# Altium PCB PCB3.PcbDoc
Units mil, origin at the board's own origin, x right, y up, seen from the top; angles counter-clockwise.
Board outline 7130 x 3195 mil, 2 copper layers (Top Layer, Bottom Layer); 60 components, 69 nets, 141 pads, 0 vias.
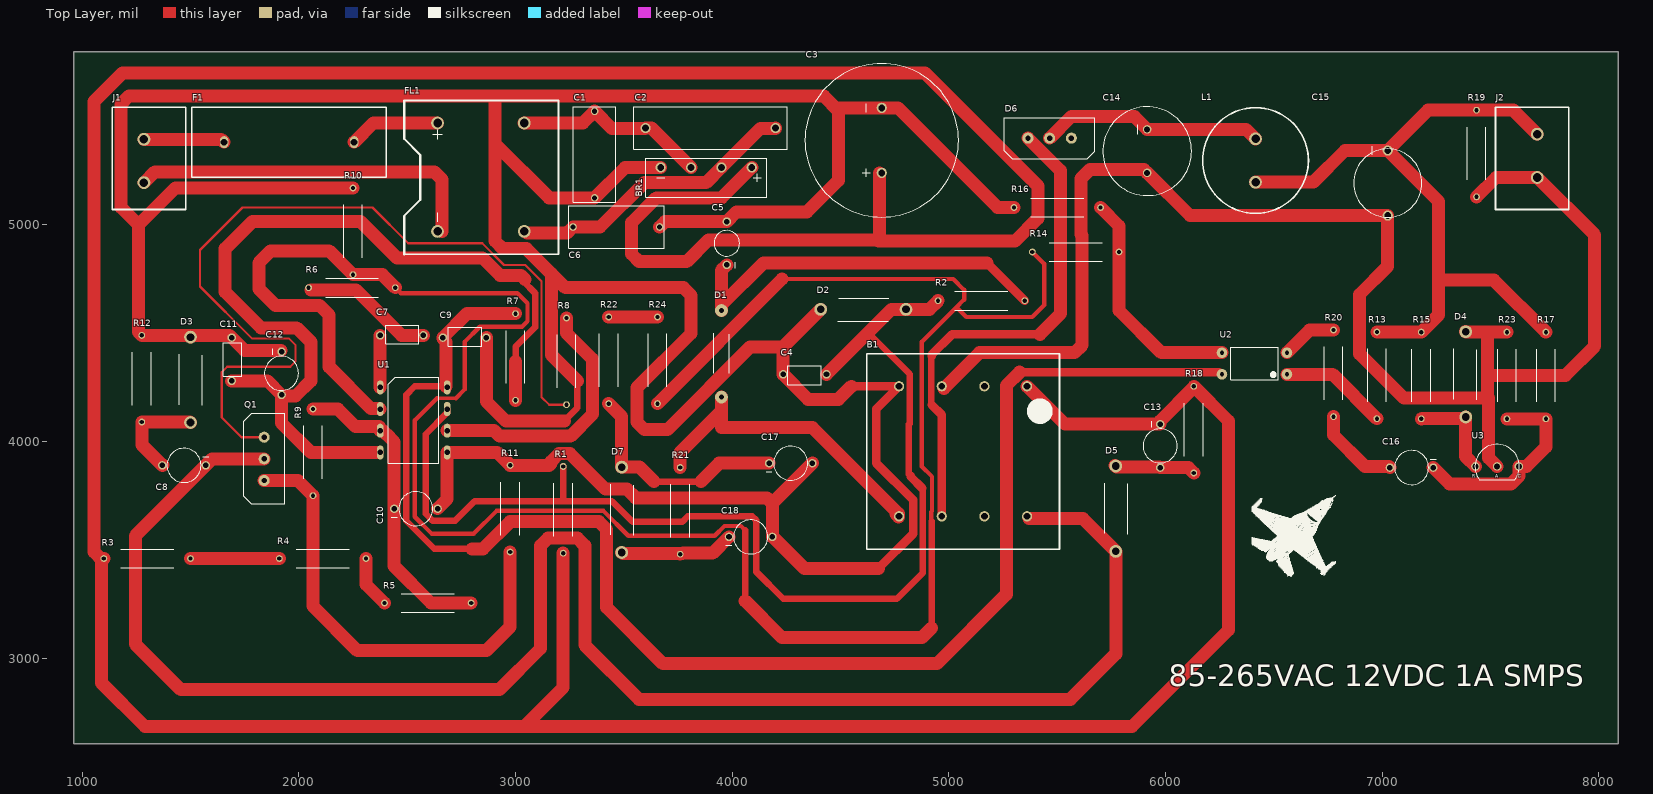
[diagram p0: Top Layer view]
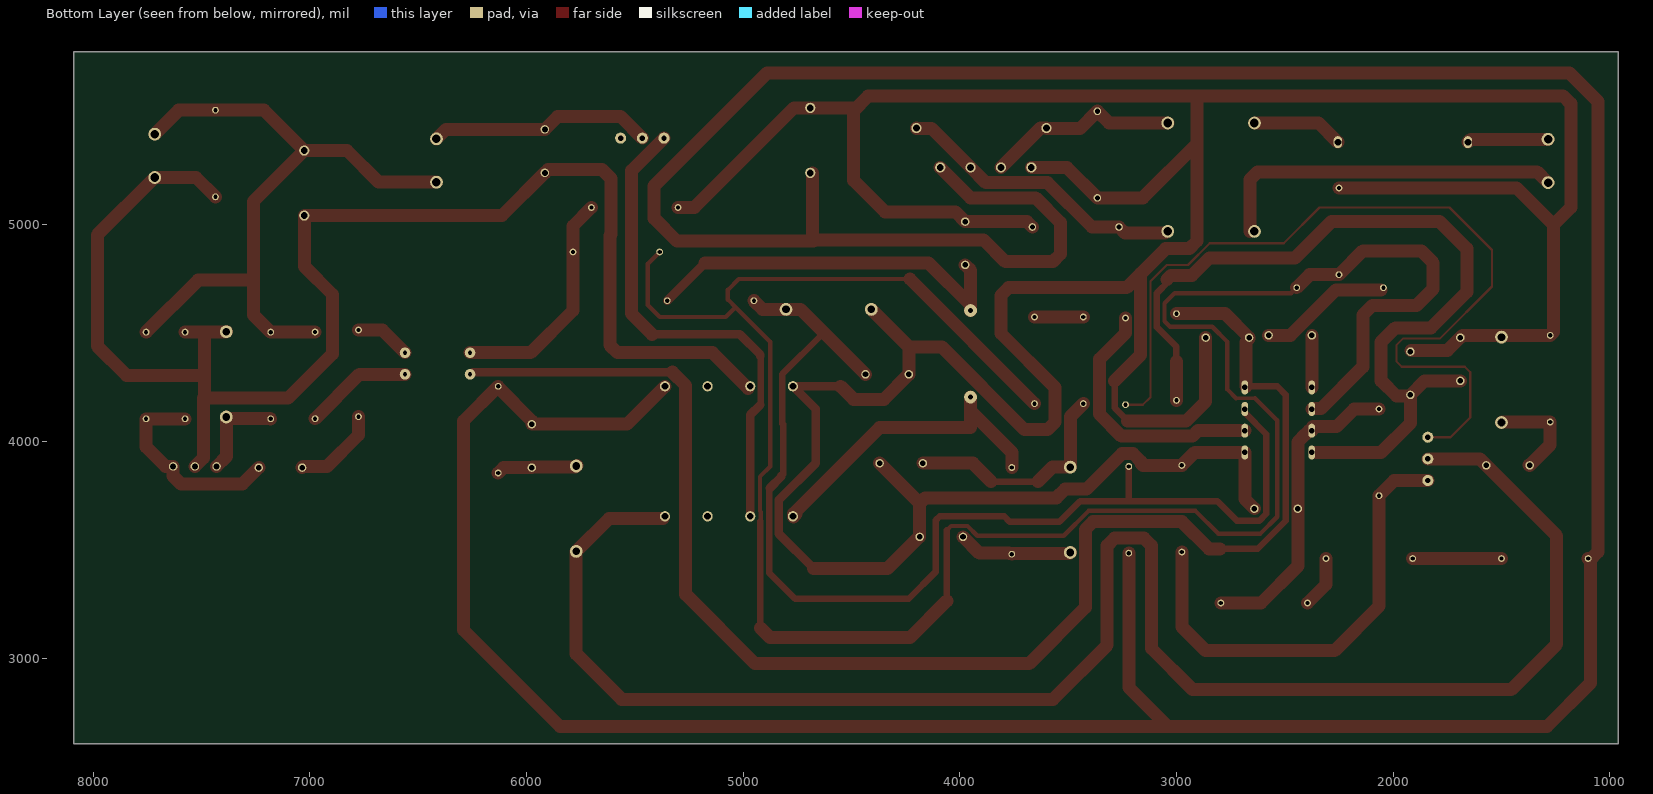
[diagram p1: Bottom Layer view, seen from below]

## Layer stack, top to bottom
Top Solder: solder mask 0.4, Solder Resist, Dk 3.5
Top Layer: signal copper 1.4
Dielectric 1: dielectric 12.6, FR-4, Dk 4.8
Bottom Layer: signal copper 1.4
Bottom Solder: solder mask 0.4, Solder Resist, Dk 3.5

## Board outline
960,2605 960,5800 8090,5800 8090,2605

## Design rules (kind name [scope] priority, off if disabled: settings)
Clearance [All] p1: gap=10 ignorepadtopadclearanceinfootprint=FALSE except(0: Arc-Hole Track-Hole SMDPad-Hole THPad-Hole Via-Hole Fill-Hole Poly-Hole Region-Hole Text-Hole)
PolygonConnect [All] p1: connectstyle=Relief reliefconductorwidth=10 reliefentries=4 polygonreliefangle="90 Angle" airgapwidth=10
RoutingVias [All] p1: holewidth=28 width=50 viastyle="Through Hole" minholewidth=28 minwidth=50 maxholewidth=28 maxwidth=50
SilkToSilkClearance [All] p1: silktosilkclearance=0
SilkToSolderMaskClearance [IsPad] p1: minsilkscreentomaskgap=0 clearancetoexposedcopper=TRUE
SolderMaskExpansion [All] p1: expansion=4 istentingtop=FALSE
Width [All] p1: maxlimit=500 minlimit=10 preferedwidth=10 minimp=50.000000 maximp=50.000000 favimp=50.000000
28 further rules are at their usual default settings.

## Components (designator, comment, footprint, x,y, rotation, side; value= is the part's Value field where it differs from the comment)
B1 "E 20 X 10 X 6" BOBBIN 5065.28,3955 r180 top
BR1 "KBP2M" KBP2M 3879.92,5265 r180 top
C1 "2.2nF Y2" Y2-RADIAL 3365,5324.53 r90 top
C2 "0.1uF X2" X2-RADIAL 3900,5446.57 r180 top
C3 "47uF" "CAP ALU 47UF,400VDC" 4690,5390 r90 top
C4 "0.1uF" "CAP CER 100NF" 4335,4310 r0 top
C5 "22uF" "CAP ALU 22UF" 3975,4915 r270 top
C6 "2.2nF Y2" Y2-RADIAL 3465,4990 r180 top
C7 "0.1uF" "CAP CER 100NF" 2475,4490 r180 top
C8 "10pF" "CAP ALU 1UF" 1470,3890 r0 top
C9 "0.1uF" "CAP CER 100NF" 2765,4480 r180 top
C10 "470pF" "CAP ALU 1UF" 2540,3690 r180 top
C11 "0.1nF" "CAP CER 100NF" 1690,4380 r90 top
C12 "470pF" "CAP ALU 1UF" 1920,4315 r90 top
C13 "1uF" "CAP ALU 1UF" 5975,3980 r90 top
C14 "1000uF" "CAP ALU 1000UF/16V" 5915,5340.28 r90 top
C15 "220uF" "CAP ALU 220UF/16V" 7025,5193.04 r90 top
C16 "10pF" "CAP ALU 1UF" 7135,3880 r0 top
C17 "0.47uF" "CAP ALU 1UF" 4270,3900 r180 top
C18 "10pF" "CAP ALU 1UF" 4085,3560 r180 top
D1 "1N4148" DO-35 3950,4405 r270 top
D2 "BZX85C18" DO-41 4605,4610 r180 top
D3 "1N5819" DO-41 1500,4285 r270 top
D4 "BZX85C18" DO-41 7385,4310 r90 top
D5 "HER108" DO-41 5770,3690 r270 top
D6 "MBR20100CT" TO-220 5465,5400 r0 top
D7 "1N5819" DO-41 3490,3685 r270 top
F1 "1A" FUSE 1955,5381.61 r0 top
FL1 "2x18mH" 2X18MH 2840,5220 r0 top
J1 "HEADER x2" "HEADER X2" 1285,5295 r90 top
J2 "HEADER x2" "HEADER X2" 7715,5318.62 r270 top
L1 "5uH" IND-RADIAL 6415,5296.98 r270 top
Q1 "IRFIBE30G" TO-220 1840,3920 r270 top
R1 "470 KOHM" RES 3220,3685 r270 top
R2 "10 OHM" RES 5150,4650 r0 top
R3 "470 KOHM" RES 1300,3460 r180 top
R4 "470 KOHM" RES 2110,3460 r180 top
R5 "470 KOHM" RES 2595,3255 r180 top
R6 "220 KOHM" RES 2245,4710 r180 top
R7 "14 KOHM" RES 3000,4390 r270 top
R8 "10 OHM" RES 3235,4370 r270 top
R9 "1 KOHM" RES 2065,3950 r90 top
R10 "12 KOHM" RES 2250,4970 r270 top
R11 "1 OHM" RES 2975,3690 r270 top
R12 "1 KOHM" RES 1275,4290 r270 top
R13 "1.5 KOHM" RES 6975,4305.63 r90 top
R14 "4.7 KOHM" RES 5585,4875 r0 top
R15 "1 KOHM" RES 7180,4305 r90 top
R16 "1 KOHM" RES 5500,5080 r0 top
R17 "12 KOHM" RES 7755,4305 r90 top
R18 "2 KOHM" RES 6130,4055 r90 top
R19 "560 OHM" RES 7435,5329.25 r90 top
R20 "82 KOHM" RES 6775,4315 r270 top
R21 "560 OHM" RES 3760,3680 r90 top
R22 "100 KOHM" RES 3430,4375 r90 top
R23 "1.5 KOHM" RES 7575,4305 r270 top
R24 "47 KOHM" RES 3655,4375 r90 top
U1 "UC3845" 8-DIP 2535,4100 r270 top
U2 "Optocoupler" 4-DIP 6410,4360 r90 top
U3 "TL431" "TL431 - TH - TO92-3" 7530,3885 r0 top

## Footprints (in the part's own frame and the unit in brackets; to place one, negate y for a bottom-side part, rotate by r counter-clockwise, add the part's x,y. Pads: shape width x height; smd on the part's side, far side on the other; paste and mask are expansions set on the pad)
2X18MH [mm]
  round 1.5 hole 1 mask+0.05: 1-(-5.08,-6.35) 2(5.08,-6.35) 3(5.08,6.35) 4+(-5.08,6.35)
  silkscreen extent -8.98,-9.05 9.1,9, body extent -7.5,-8.39 7.5,8.4, height 17.3
4-DIP [mm]
  round 1.25 hole 0.5 mask+0.05: 1(-1.27,-3.81) 2(1.27,-3.81) 3(1.27,3.81) 4(-1.27,3.81)
  silkscreen extent -1.9,-2.8 1.9,2.8, body extent -2.36,-3.94 2.36,3.93, height 5.2
8-DIP [mm]
  oval 1.65x0.8 hole 0.65 mask+0.05: 1(-3.81,-4.05) 2(-1.27,-4.05) 3(1.27,-4.05) 4(3.81,-4.05) 5(3.81,3.8) 6(1.27,3.8) 7(-1.27,3.8) 8(-3.81,3.8)
  silkscreen extent -5,-3.1 5.1,2.8, body extent -5.42,-4.16 5.5,3.96, height 5.21
BOBBIN [mm]
  round 1.2 hole 0.8 mask+0.05: 1(-7.5,-7.62) 2(-7.5,7.62) 3(7.5,-7.62) 4(7.5,7.62) 6(2.5,-7.62) 7(2.5,7.62) ""(-2.5,7.62) ""(-2.5,-7.62)
  silkscreen extent -11.3,-11.42 11.3,11.48, body extent -10.7,-10.12 10.8,10.28, height 8
"CAP ALU 1UF" [mm]
  round 1 hole 0.65 mask+0.05: 1(-2.54,0) 2(2.54,0)
  silkscreen extent -2,-2 2.9,2, body extent -3.51,-1.71 3.5,1.8, height 12.01
"CAP ALU 22UF" [mm]
  round 1 hole 0.65 mask+0.05: 1(-2.54,0) 2(2.54,0)
  silkscreen extent -1.5,-1.5 2.9,1.5, body extent -3.51,-1.71 3.5,1.8, height 12.01
"CAP ALU 47UF,400VDC" [mm]
  round 1.2 hole 0.8 mask+0.05: 1(3.81,0) 2(-3.81,0)
  silkscreen extent -9,-9 9,9, body extent -9.05,-9 8.99,9, height 22
"CAP ALU 220UF/16V" [mm]
  round 1.2 hole 0.8 mask+0.05: 1(-3.81,0) 2(3.81,0)
  silkscreen extent -4,-4 4.29,4, body extent -9.05,-9 8.99,9, height 22
"CAP ALU 1000UF/16V" [mm]
  round 1 hole 0.7 mask+0.05: 1(-2.54,0) 2(2.54,0)
  silkscreen extent -5.2,-5.2 5.2,5.2, body extent -5.28,-5.24 5.23,5.24, height 14.21
"CAP CER 100NF" [mm]
  round 1 hole 0.65 mask+0.05: 1(-2.54,0) 2(2.54,0)
  silkscreen extent -2,-1.2 1.9,1, body extent -2.81,-1.69 2.82,1.5, height 7.83
DO-35 [mm]
  round 1.5 hole 0.6 mask+0.05: A(5.08,0) C(-5.08,0)
  silkscreen extent -2.4,-0.9 2.3,0.9, body extent -5.33,-0.9 5.37,0.85, height 2.25
DO-41 [mm]
  round 1.5 hole 0.9 mask+0.05: A(5,0) C(-5,0)
  silkscreen extent -3,-1.3 3,1.4, body extent -5.45,-1.31 5.41,1.41, height 2.86
FUSE [mm]
  oval 1x1.4 hole 0.8 mask+0.05: 1(-7.62,0) 2(7.62,0)
  silkscreen extent -11.4,-4.1 11.4,4.1, body extent -11.4,-4.1 11.4,4.1, height 10.21
"HEADER X2" [mm]
  round 1.5 hole 1 mask+0.05: 1(-2.54,0) 2(2.54,0)
  silkscreen extent -5.7,-4.9 6.3,3.7, body extent -5.65,-4.9 6.25,3.66, height 11.81
IND-RADIAL [mm]
  round 1.5 hole 1 mask+0.05: 1(-2.54,0) 2(2.54,0)
  silkscreen extent -6.2,-6.2 6.2,6.2, body extent -6.35,-6.35 6.35,6.35, height 18.04
KBP2M [mm]
  round 1.2 hole 0.8 mask+0.05: 1(-5.34,0) 2(-1.78,0) 3(1.78,0) 4(5.34,0)
  silkscreen extent -7.1,-1.1 7.1,3.5, body extent -7.11,-1.08 7.11,3.49, height 11.33
RES [mm]
  round 0.8 hole 0.5 mask+0.05: 1(-5.08,0) 2(5.08,0)
  silkscreen extent -3.1,-1.1 3.1,1.1, body extent -5.31,-1.1 5.35,1.11, height 2.11
"TL431 - TH - TO92-3" [mm]
  round 1 hole 0.7 mask+0.05: A(0,0) C(-2.54,0) R(2.54,0)
  silkscreen extent -2.6,-1.56 2.6,2.6, body extent -2.74,-1.6 2.74,2.6, height 10.33
TO-220 [mm]
  round 1.3 hole 0.63 mask+0.05: 1(-2.54,0) 2(0,0) 3(2.54,0)
  silkscreen extent -5.34,-2.4 5.26,2.4, body extent -5.3,-2.4 5.3,2.4, height 17
X2-RADIAL [mm]
  round 1.2 hole 0.8 mask+0.05: 1(-7.62,0) 2(7.62,0)
  silkscreen extent -9,-2.5 9,2.5, body extent -9,-2.5 9,2.5, height 11.01
Y2-RADIAL [mm]
  round 0.9 hole 0.6 mask+0.05: 1(-5.08,0) 2(5.08,0)
  silkscreen extent -5.6,-2.5 5.6,2.5, body extent -5.6,-2.5 5.6,2.5, height 15

## Part data
B1: library part Transformer, "Ferrite Cores & Accessories E20/10/6 N27LP 0.250 MM / B66311G0000X127", Manufacturer="TDK EPCOS", Manufacturer Part Number=B66208-B1110-T1, Supplier Part Number 1=495-5372-ND, Category=Uncategorized, ComponentLink1Description=https://datasheet.ciiva.com/12393/e-25-13-7-525655-12393262.pdf?src-supplier=Mouser, ComponentLink1URL=https://datasheet.ciiva.com/12393/e-25-13-7-525655-12393262.pdf?src-supplier=Mouser, ComponentLink2Description=https://datasheet.ciiva.com/1375/1469926-1375211.pdf?src-supplier=Element14, ComponentLink2URL=https://datasheet.ciiva.com/1375/1469926-1375211.pdf?src-supplier=Element14, ComponentLink3Description=https://datasheet.ciiva.com/22735/1465575-22735656.pdf?src-supplier=Element14, ComponentLink3URL=https://datasheet.ciiva.com/22735/1465575-22735656.pdf?src-supplier=Element14, ComponentLink4Description=https://datasheet.ciiva.com/15162/getdatasheetpartid-476737-15162694.pdf?src-supplier=Verical, ComponentLink4URL=https://datasheet.ciiva.com/15162/getdatasheetpartid-476737-15162694.pdf?src-supplier=Verical, Pricing 1="1=1,27, 10=1,14, 25=0,844, 50=0,802, 100=0,7176, 450=0,63316, 1350=0,58625 (USD)", Pricing 2="1=0,384, 50=0,329, 100=0,274, 250=0,247, 500=0,22, 1470=0,216, 7350=0,215, 14700=0,214 (EUR)", RoHS=Yes, Stock 1=6682, Stock 2=3572, Supplier 1=Digikey, Supplier 2=Farnell, Supplier Part Number 2=2355087
BR1: library part KBP2MI_T0_00101, "Bridge Rectifier Single Phase Standard 1 kV Through Hole KBP", Manufacturer="Pan Jit", Supplier Part Number 1=3757-KBP2MI_T0_00101-ND, Manufacturer Part Number=KBP2MI_T0_00101, Pricing 1="1=0,47, 35=0,37857, 105=0,28124, 525=0,21958, 1015=0,17848, 2030=0,15955, 5005=0,15144, 10010=0,14062, 50015=0,13388 (USD)", RoHS=No, Stock 1=2737, Supplier 1=DigiKey
C1 C6: library part "CAP FILM Y2 2200pF/400VAC", "CAP FILM 2.2nF 10% 400VAC RADIAL"
C2: library part "Film Cap X2 0.1uF/310VAC", "0.1 µF Film Capacitor 310V Polypropylene (PP), Metallized Radial"
C3: library part "CAP ALU 47uF/400VDC", "CAP ALU 47uF/400VDC"
C4: library part "CAP CER 0.1uF", "CAP CER 0.1uF"
C5: library part "CAP ALU 22uF", "CAP ALU 22uF"
C7 C9: library part "CAP CER 100nF", "Cap Ceramic 0.1uF 50V Z5U 20% Radial 5.08mm 85C T/R", Manufacturer=KEMET, Manufacturer Part Number=C322C104M5U5TA7301, Supplier Part Number 1=399-9880-1-ND, Category="Ceramic Capacitors", ComponentLink1Description=https://datasheet.ciiva.com/39123/f3101-goldmax-39123006.pdf?src-supplier=Onlinecomponents.com, ComponentLink1URL=https://datasheet.ciiva.com/39123/f3101-goldmax-39123006.pdf?src-supplier=Onlinecomponents.com, ComponentLink2Description=https://datasheet.ciiva.com/32430/c052-62-mlcc-series-eng-tds-32430969.pdf?src-supplier=Distrelec, ComponentLink2URL=https://datasheet.ciiva.com/32430/c052-62-mlcc-series-eng-tds-32430969.pdf?src-supplier=Distrelec, ComponentLink3Description=https://datasheet.ciiva.com/6280/f3101-goldmax-6280389.pdf?src-supplier=Digikey, ComponentLink3URL=https://datasheet.ciiva.com/6280/f3101-goldmax-6280389.pdf?src-supplier=Digikey, ComponentLink4Description=https://datasheet.ciiva.com/6280/f3101-goldmax-6280390.pdf?src-supplier=Digikey, ComponentLink4URL=https://datasheet.ciiva.com/6280/f3101-goldmax-6280390.pdf?src-supplier=Digikey, Pricing 1="1=0,26, 10=0,166, 50=0,1046, 100=0,0836, 500=0,0604, 1000=0,05343 (USD)", RoHS=Yes, Stock 1=1, Supplier 1=Digikey
C8 C16 C18: library part "CAP CER 10pF", "CAP CER 10pF"
C10 C12: library part "CAP CER 470pF", "CAP CER 470pF"
C11: library part "CAP CER 0.1nF", "CAP CER 0.1nF"
C13: library part "CAP ALU 1uF/50V", "CAP ALUM 1UF 20% 50V RADIAL WCAP-ATG5 Aluminum Electrolytic Capacitors", ESR (Equivalent Series Resistance)=39.553R, Leakage Current=3uA, Manufacturer="Wurth Electronics", Manufacturer Part Number=860020672005, Supplier Part Number 1=732-8851-1-ND, Category="Aluminum Electrolytic Capacitors", ComponentLink1Description=http://www.farnell.com/datasheets/1879647.pdf?src-supplier=Farnell, ComponentLink1URL=http://www.farnell.com/datasheets/1879647.pdf?src-supplier=Farnell, ComponentLink2Description=http://www.farnell.com/datasheets/1879647.pdf?src-supplier=Element14, ComponentLink2URL=http://www.farnell.com/datasheets/1879647.pdf?src-supplier=Element14, ComponentLink3Description=http://katalog.we-online.de/pbs/datasheet/860020672005.pdf?src-supplier=Digikey, ComponentLink3URL=http://katalog.we-online.de/pbs/datasheet/860020672005.pdf?src-supplier=Digikey, ComponentLink4Description=https://katalog.we-online.de/pbs/datasheet/860020672005.pdf?src-supplier=Digikey, ComponentLink4URL=https://katalog.we-online.de/pbs/datasheet/860020672005.pdf?src-supplier=Digikey, Hole Diameter=800um, Length=11mm, Pitch=2mm, Pricing 1="1=0,1, 50=0,089, 100=0,078, 250=0,069, 500=0,06, 1000=0,058 (USD)", RoHS=Yes, Stock 1=34223, Supplier 1=Digikey
C14: library part "CAP ALU 1000uF", "Cap Aluminum Lytic 1000uF 16V 20% (10 X 16mm) Radial 5mm 1760mA 10000h 105C Bulk", Manufacturer=Rubycon, Manufacturer Part Number=16ZLH1000MEFC10X16, Supplier Part Number 1=1189-1147-ND, Category="Aluminum Electrolytic Capacitors", ComponentLink1Description=https://datasheet.ciiva.com/16313/e-zlh-16313390.pdf?src-supplier=Future+Electronics, ComponentLink1URL=https://datasheet.ciiva.com/16313/e-zlh-16313390.pdf?src-supplier=Future+Electronics, ComponentLink2Description=https://datasheet.ciiva.com/22732/1910927-22732477.pdf?src-supplier=Element14, ComponentLink2URL=https://datasheet.ciiva.com/22732/1910927-22732477.pdf?src-supplier=Element14, ComponentLink3Description=https://datasheet.ciiva.com/6300/e-zlh-6300460.pdf?src-supplier=Digikey, ComponentLink3URL=https://datasheet.ciiva.com/6300/e-zlh-6300460.pdf?src-supplier=Digikey, ComponentLink4Description=https://datasheet.ciiva.com/11692/e-zlh-11692166.pdf?src-supplier=Avnet, ComponentLink4URL=https://datasheet.ciiva.com/11692/e-zlh-11692166.pdf?src-supplier=Avnet, Pricing 1="1=0,62, 10=0,389, 50=0,2868, 100=0,2543, 500=0,19906, 1000=0,18203, 3000=0,16421, 5000=0,1536 (USD)", RoHS=Yes, Stock 1=8548, Supplier 1=Digikey
C15: library part "CAP ALU 220uF", "Aluminum Electrolytic Capacitor, 220uF 16 V, BT Series 5000h 10 x 12.5mm", Manufacturer=Nichicon, Manufacturer Part Number=UBT1C221MPD8, Supplier Part Number 1=493-UBT1C221MPD8-ND, Category="Aluminum Electrolytic Capacitors", ComponentLink1Description=https://datasheet.ciiva.com/25613/0900766b810dc68a-25613514.pdf?src-supplier=Rs, ComponentLink1URL=https://datasheet.ciiva.com/25613/0900766b810dc68a-25613514.pdf?src-supplier=Rs, Pricing 1="1=0,8, 10=0,56, 50=0,4718, 100=0,3841, 500=0,32008, 2000=0,2527, 4000=0,23586 (USD)", RoHS=Yes, Stock 1=1881, Supplier 1=Digikey
C17: library part "CAP ALU 0.47uF", "CAP ALU 0.47uF"
D1: library part "DIODE 1N4148", "1N4148 Series 500 mW 100 V Max Reverse Voltage 200 mA Small Signal Diode -DO-35", Capacitance=4pF, Case/Package=DO-35, Current=4A, Current Rating=200mA, Forward Current=300mA, Manufacturer="ON Semiconductor / Fairchild", Max Operating Temperature=175°C, Max Repetitive Reverse Voltage (Vrrm)=100V, Max Reverse Current=5uA, Min Operating Temperature=-65°C, Supplier Part Number 1=1N4148FS-ND, Category="Rectifier Diodes", ComponentLink1Description=https://datasheet.ciiva.com/27049/743285-27049708.pdf?src-supplier=Jameco, ComponentLink1URL=https://datasheet.ciiva.com/27049/743285-27049708.pdf?src-supplier=Jameco, ComponentLink2Description=https://datasheet.ciiva.com/1242/1716967-1242233.pdf?src-supplier=Newark, ComponentLink2URL=https://datasheet.ciiva.com/1242/1716967-1242233.pdf?src-supplier=Newark, ComponentLink3Description=https://datasheet.ciiva.com/910/1n914-910546.pdf?src-supplier=Digikey, ComponentLink3URL=https://datasheet.ciiva.com/910/1n914-910546.pdf?src-supplier=Digikey, ComponentLink4Description=https://datasheet.ciiva.com/3304/fdll914b-3304217.pdf?src-supplier=Avnet, ComponentLink4URL=https://datasheet.ciiva.com/3304/fdll914b-3304217.pdf?src-supplier=Avnet, ComponentLink5Description=https://datasheet.ciiva.com/25951/fdll914b-25951516.pdf?, ComponentLink5URL=https://datasheet.ciiva.com/25951/fdll914b-25951516.pdf?, Diameter=1.91mm, Height=1.91mm, Lead Free=5697LeadFree, Length=4.56mm, Manufacturer Part Number=1N4148, Mount="Through Hole", Number of Pins=2, Output Current=200mA, Packaging=Bulk, Peak Non-Repetitive Surge Current=4A, Polarity=4901Direction, Pricing 1="1=0,1, 10=0,057, 100=0,0306, 500=0,024, 1000=0,01666, 2000=0,01381, 5000=0,01305, 10000=0,01111, 50000=0,00889 (USD)", Reverse Recovery Time=4ns, RoHS=Yes, RoHS Compliant=Yes, Stock 1=222319, Supplier 1=Digikey, Voltage=100V, Voltage Rating (DC)=100V, Width=1.91mm
D2 D4: "BZX85C Series 1 W 18 V 200 mA Through Hole Zener Diode - DO-41", Manufacturer="ON Semiconductor / Fairchild", Category="Zener Diodes", ComponentLink1Description=https://datasheet.ciiva.com/25623/0900766b810c0855-25623848.pdf?src-supplier=Rs, ComponentLink1URL=https://datasheet.ciiva.com/25623/0900766b810c0855-25623848.pdf?src-supplier=Rs, ComponentLink2Description=https://datasheet.ciiva.com/15142/getdatasheetpartid-60279-15142246.pdf?src-supplier=Verical, ComponentLink2URL=https://datasheet.ciiva.com/15142/getdatasheetpartid-60279-15142246.pdf?src-supplier=Verical, ComponentLink3Description=https://datasheet.ciiva.com/8059/1751942-8059591.pdf?src-supplier=Element14, ComponentLink3URL=https://datasheet.ciiva.com/8059/1751942-8059591.pdf?src-supplier=Element14, ComponentLink4Description=https://datasheet.ciiva.com/8347/bzx85c9v1-8347335.pdf?src-supplier=Avnet, ComponentLink4URL=https://datasheet.ciiva.com/8347/bzx85c9v1-8347335.pdf?src-supplier=Avnet, Manufacturer Part Number=BZX85C18, Pricing 1="25000=0,0296, 26000=0,0288, 51000=0,028, 130000=0,0272, 250000=0,0264, 1300000=0,0256, 2500000=0,0248 (USD)", RoHS=Yes, Stock 1=196750, Supplier 1=Avnet, Supplier Part Number 1=BZX85C18
D3 D7: "Rectifier Diode, Schottky, 1 Phase, 1 Element, 1A, 40V V(RRM), Silicon, DO-41", Manufacturer=STMicroelectronics, Supplier Part Number 1=497-6610-3-ND, Category="Rectifier Diodes", ComponentLink1Description=https://datasheet.ciiva.com/26338/155460-da-01-en-diode-1n5819-stm-26338798.pdf?src-supplier=Conrad, ComponentLink1URL=https://datasheet.ciiva.com/26338/155460-da-01-en-diode-1n5819-stm-26338798.pdf?src-supplier=Conrad, ComponentLink2Description=https://datasheet.ciiva.com/16303/cd00001625-16303290.pdf?src-supplier=Future+Electronics, ComponentLink2URL=https://datasheet.ciiva.com/16303/cd00001625-16303290.pdf?src-supplier=Future+Electronics, ComponentLink3Description=https://datasheet.ciiva.com/14557/70013816-14557645.pdf?src-supplier=Allied+Electronics, ComponentLink3URL=https://datasheet.ciiva.com/14557/70013816-14557645.pdf?src-supplier=Allied+Electronics, ComponentLink4Description=https://datasheet.ciiva.com/1177/1449529-1177085.pdf?src-supplier=Element14, ComponentLink4URL=https://datasheet.ciiva.com/1177/1449529-1177085.pdf?src-supplier=Element14, ComponentLink5Description=https://datasheet.ciiva.com/915/cd00001625-915555.pdf?src-supplier=Digikey, ComponentLink5URL=https://datasheet.ciiva.com/915/cd00001625-915555.pdf?src-supplier=Digikey, ComponentLink6Description=https://datasheet.ciiva.com/915/cd00001625-915556.pdf?src-supplier=Digikey, ComponentLink6URL=https://datasheet.ciiva.com/915/cd00001625-915556.pdf?src-supplier=Digikey, Manufacturer Part Number=1N5819, Pricing 1="2000=0,0684, 6000=0,0654, 10000=0,05656, 50000=0,04596, 200000=0,04525 (USD)", RoHS=Yes, Stock 1=24000, Supplier 1=Digikey
D5: library part "Diode 1000V-1A", "75ns, 1A, 1000V, High Efficient Recovery Rectifier", Average Rectified Current=1A, Manufacturer="Taiwan Semiconductor", Manufacturer Part Number="HER108G A0G", Max Reverse Voltage (DC)=1kV, Supplier Part Number 1=HER108GA0GCT-ND, Mount="Through Hole", Packaging="Tape and Reel", Pricing 1="1=0,49, 10=0,34, 100=0,1719, 500=0,14026, 1000=0,10407 (USD)", Reverse Recovery Time=75ns, RoHS=Yes, RoHS Compliant=Yes, Series=-, Stock 1=4964, Supplier 1=Digikey
D6: "Dual Common-Cathode High-Voltage Schottky Rectifier", Manufacturer="Vishay Semiconductors", Manufacturer Part Number=MBR20100CT-E3/4W, Reverse Voltage=100V, Supplier Part Number 1=MBR20100CT-E3/4WGI-ND, Category="Rectifier Diodes", ComponentLink1Description=https://datasheet.ciiva.com/16446/mbrb2080-16446902.pdf?src-supplier=Future+Electronics, ComponentLink1URL=https://datasheet.ciiva.com/16446/mbrb2080-16446902.pdf?src-supplier=Future+Electronics, Pricing 1="1=1,98, 50=1,5872, 100=1,306, 500=1,10506, 1000=0,93762, 2000=0,89074, 5000=0,85726, 10000=0,82888 (USD)", RoHS=Yes, Stock 1=3630, Supplier 1=Digikey
F1: library part Fuse, "1A FUSE"
FL1: library part "EMI Filter", "2x18mH choke"
L1: library part "IND RADIAL 5uH", "Fixed Ind 5UH 20A 5 Mohm Th", Manufacturer="Hammond Manufacturing", Manufacturer Part Number=1539M10, Supplier Part Number 1=HM3375-ND, Category="Fixed Inductors", ComponentLink1Description=http://www.mouser.com/ds/2/177/5c0038-44785.pdf?src-supplier=Mouser, ComponentLink1URL=http://www.mouser.com/ds/2/177/5c0038-44785.pdf?src-supplier=Mouser, ComponentLink2Description=http://www.hammondmfg.com/pdf/5c0038.pdf?src-supplier=Digikey, ComponentLink2URL=http://www.hammondmfg.com/pdf/5c0038.pdf?src-supplier=Digikey, Pricing 1="1=15,7, 10=14,911 (USD)", RoHS=No, Stock 1=8, Supplier 1=Digikey
Q1: "Single N-Channel 800 V 3 Ohms Flange Mount Power Mosfet - TO-220FP", Manufacturer=Vishay, Manufacturer Part Number=IRFIBE30GPBF, Supplier Part Number 1=IRFIBE30GPBF-ND, Category=MOSFETs, ComponentLink1Description=https://datasheet.ciiva.com/8025/irfibe30gpbf-8025460.pdf?src-supplier=Element14, ComponentLink1URL=https://datasheet.ciiva.com/8025/irfibe30gpbf-8025460.pdf?src-supplier=Element14, ComponentLink2Description=https://datasheet.ciiva.com/16226/91184-16226618.pdf?src-supplier=Future+Electronics, ComponentLink2URL=https://datasheet.ciiva.com/16226/91184-16226618.pdf?src-supplier=Future+Electronics, Pricing 1="1=2,71, 50=2,1504, 100=1,8433, 500=1,63846, 1000=1,40293, 2000=1,32101, 5000=1,26738 (USD)", RoHS=Yes, Stock 1=1845, Supplier 1=Digikey
R1 R3 R4 R5: library part "RES 470 KOHM", "RES 470 KOHM"
R2 R8: library part "RES 10 OHM", "RES 10 OHM"
R6: library part "RES 220 KOHM", "RES 220 KOHM"
R7: library part "RES 14 KOHM", "RES 14 KOHM"
R9 R12 R15 R16: library part "RES 1 KOHM", "RES 1 KOHM"
R10 R17: library part "RES 12 KOHM", "RES 12 KOHM"
R11: library part "RES 1 OHM", "RES 1 OHM"
R13 R23: library part "RES 1.5 KOHM", "RES 1.5 KOHM"
R14: library part "RES 4.7 KOHM", "RES 4.7 KOHM"
R18: library part "RES 2 KOHM", "RES 2 KOHM"
R19 R21: library part "RES 560 OHM", "RES 560 OHM"
R20: library part "RES 82 KOHM", "RES 82 KOHM"
R22: library part "RES 100 KOHM", "RES 100 KOHM"
R24: library part "RES 47 KOHM", "RES 47 KOHM"
U1: "Boost, Flyback Regulator Positive, Isolation Capable Output Step-Up/Step-Down  DC-DC Controller IC 8-Mini DIP", Manufacturer=STMicroelectronics, Manufacturer Part Number=UC3845BN, Supplier Part Number 1=497-14808-5-ND, Category="Voltage Regulators - Switching", ComponentLink1Description=https://datasheet.ciiva.com/15108/getdatasheetpartid-31655-15108079.pdf?src-supplier=Verical, ComponentLink1URL=https://datasheet.ciiva.com/15108/getdatasheetpartid-31655-15108079.pdf?src-supplier=Verical, ComponentLink2Description=https://datasheet.ciiva.com/16394/cd00000966-16394470.pdf?src-supplier=Future+Electronics, ComponentLink2URL=https://datasheet.ciiva.com/16394/cd00000966-16394470.pdf?src-supplier=Future+Electronics, ComponentLink3Description=https://datasheet.ciiva.com/4875/cd00000966-4875756.pdf?src-supplier=Mouser, ComponentLink3URL=https://datasheet.ciiva.com/4875/cd00000966-4875756.pdf?src-supplier=Mouser, ComponentLink4Description=https://datasheet.ciiva.com/45260/cd00000966-45260200.pdf?src-supplier=Digikey, ComponentLink4URL=https://datasheet.ciiva.com/45260/cd00000966-45260200.pdf?src-supplier=Digikey, ComponentLink5Description=https://datasheet.ciiva.com/1513/1696818-1513208.pdf?src-supplier=Element14, ComponentLink5URL=https://datasheet.ciiva.com/1513/1696818-1513208.pdf?src-supplier=Element14, Pricing 1="1=0,99, 10=0,889, 50=0,8438, 100=0,6932, 250=0,64796, 500=0,57262, 1000=0,45208, 2500=0,42194, 5000=0,40084 (USD)", RoHS=Yes, Stock 1=2211, Supplier 1=Digikey
U2: "Optocoupler DC-IN 1-CH Darlington DC-OUT 4-Pin PDIP Magazine", Manufacturer=Renesas, Manufacturer Part Number=PS2502-1-A, Supplier Part Number 1=559-1009-ND, Category=Optocouplers, ComponentLink1Description=https://datasheet.ciiva.com/9218/pn10226ej04v0ds-9218496.pdf?src-supplier=Avnet, ComponentLink1URL=https://datasheet.ciiva.com/9218/pn10226ej04v0ds-9218496.pdf?src-supplier=Avnet, Pricing 1="1=0,73, 10=0,462, 100=0,3415, 500=0,325 (USD)", RoHS=Yes, Stock 1=9709, Supplier 1=Digikey
U3: library part "TL431 - th", "Shunt Voltage Reference IC Adjustable 2.495V 36 VV ±1% 100 mA TO-92-3", Manufacturer="Texas Instruments", Manufacturer Part Number=TL431ACLPR, Supplier Part Number 1=296-TL431ACLPRCT-ND, Category="Voltage References", ComponentLink1Description=https://datasheet.ciiva.com/15149/getdatasheetpartid-238763-15149135.pdf?src-supplier=Verical, ComponentLink1URL=https://datasheet.ciiva.com/15149/getdatasheetpartid-238763-15149135.pdf?src-supplier=Verical, ComponentLink2Description=https://datasheet.ciiva.com/41462/001014545-da-01-en-ic-vref-shunt-pre-tl431aclpr-to-92-3-tid-41462399.pdf?src-supplier=Conrad, ComponentLink2URL=https://datasheet.ciiva.com/41462/001014545-da-01-en-ic-vref-shunt-pre-tl431aclpr-to-92-3-tid-41462399.pdf?src-supplier=Conrad, ComponentLink3Description=https://datasheet.ciiva.com/3235/tl432b-3235595.pdf?src-supplier=Avnet, ComponentLink3URL=https://datasheet.ciiva.com/3235/tl432b-3235595.pdf?src-supplier=Avnet, ComponentLink4Description=https://datasheet.ciiva.com/3236/tl432b-3236342.pdf?src-supplier=Avnet, ComponentLink4URL=https://datasheet.ciiva.com/3236/tl432b-3236342.pdf?src-supplier=Avnet, ComponentLink5Description=https://datasheet.ciiva.com/2006/tl431a-2006226.pdf?src-supplier=Digikey, ComponentLink5URL=https://datasheet.ciiva.com/2006/tl431a-2006226.pdf?src-supplier=Digikey, ComponentLink6Description=https://datasheet.ciiva.com/2006/tl431a-2006227.pdf?src-supplier=Digikey, ComponentLink6URL=https://datasheet.ciiva.com/2006/tl431a-2006227.pdf?src-supplier=Digikey, ComponentLink7Description=https://datasheet.ciiva.com/2006/tl431a-2006228.pdf?src-supplier=Digikey, ComponentLink7URL=https://datasheet.ciiva.com/2006/tl431a-2006228.pdf?src-supplier=Digikey, ComponentLink8Description=https://datasheet.ciiva.com/46397/1887475-46397717.pdf?src-supplier=Element14, ComponentLink8URL=https://datasheet.ciiva.com/46397/1887475-46397717.pdf?src-supplier=Element14, Pricing 1="1=0,39, 10=0,289, 25=0,2532, 100=0,1639, 250=0,13568, 500=0,10854, 1000=0,08321 (USD)", RoHS=Yes, Stock 1=10278, Supplier 1=Digikey

## Nets (pads, with @x,y where several pads share a name; then routed paths per layer and width w, separated by ;. In a path a pad name is that pad's centre, name@x,y a point inside that pad or via, vN(x,y) a via of type N, cw(c..) or ccw(c..) an arc to the next point about the centre after c; other vN are vias at no path point)
4TF: B1.4 D1.A R21.2 | length 1480.9
  Top Layer w60: R21.2 3760,3950 3950,4140 ; D1.A 3950,4140 ; B1.4@4755.51,3665.01 B1.4@4768.15,3652.37 ; B1.4@4766.81,3665.01 4766.81,3668.19 4370,4065 3950,4065 3950,4140
400VDC: B1.1 BR1.1 C3.2 C13.2 R1.2 R3.2 R18.2 | length 19040.7
  Top Layer w60: R3.2 R3.2@1092.5,3452.5 ; R1.2 3220,2865 3040,2685 ; BR1.1 3950.16,5125 3650,5125 3535,5010 3535,4865.15 3570.15,4830 3790,4830 3890,4930 4680,4930 C3.2@4680,5240 ; 4675,4925 5305,4925 5410,5030 5410,5180 4890,5700 1185,5700 1055,5570 1055,3490 R3.2@1092.5,3452.5 ; B1.1 5535.55,4080 C13.2 5975,4095 6130,4250 R18.2 6290,4095 6290,3130 5845,2685 3040,2685 ; R3.2@1092.5,3452.5 1090,3450 1090,2885 1290,2685 3040,2685
GND: B1.3 BR1.4 C1.1 C3.1 C4.1 C5.1 C6.1 C9.1 C10.1 C11.2 C12.2 C17.1 C18.1 D2.A D3.C R10.1 R11.1 R12.1 R16.1 U1.5 | length 18936.8
  Top Layer w30: 3225,4095 3285,4155 3285,4280
  Top Layer w40: 4550,4255 B1.3 4665,4150 4665,3900 4835,3730 4835,3575 4675,3415
  Top Layer w60: D3.C D3.C@1491.85,4490 ; C12.2@1918.4,4420 1750,4420 C11.2 1680,4490 D3.C@1491.85,4490 ; R10.1 1430,5170 1260,5000 ; C10.1 2684.61,3734.61 U1.5 2915,3950 R11.1 3155,3890 3164.25,3899.25 3164.25,3908.09 3200.73,3944.57 3250.43,3944.57 3415,3780 3514.07,3780 3554.07,3740 4160,3740 4185,3715 ; C9.1 2865,4185 2955,4095 3225,4095 ; 3285,4280 3165,4400 3165,4775 ; C6.1 3690,5015 C5.1@3972.46,5015 ; BR1.4 3505.47,5265 C1.1 3155.47,5124.53 2905,5375 ; C5.1 4020,5060 4345,5060 4490,5205 4490,5527.35 4422.83,5594.53 2915,5594.53 ; C17.1 4185,3715 ; D2.A 4235,4436.85 ; 4477.35,5540 C3.1 4765,5540 5225,5080 R16.1 ; 4550,4255 4490,4195 4350,4195 C4.1 4235,4436.85 ; 4675,3415 4332.54,3415 4187.54,3560 C18.1 4185,3715 ; 1260,5000 1260,4505 R12.1 D3.C@1491.85,4490 ; 1260,5000 1180,5080 1180,5559.38 1215.15,5594.53 2915,5594.53 ; 2905,5375 2905,5584.53 2915,5594.53 ; 2905,5375 2905,4925.15 2940.15,4890 3050,4890 3165,4775 ; 3165,4775 3230,4710 3774.85,4710 3810,4674.85 3810,4498.68 3560,4248.68 3560,4090.15 3595.15,4055 3701.01,4055 4082.86,4436.85 4235,4436.85
GND1: B1.6 C14.1 C15.1 D4.A J2.2 R19.1 R23.1 U3.A | length 6950.6
  Top Layer w60: B1.6@4976.3,4245 5141.3,4410 5579.85,4410 5615,4445.15 5615,4950 5610.07,4954.93 5610.07,5214.93 5650.15,5255 5900.28,5255 C14.1 6112.24,5043.04 C15.1 7025,4808.93 6895,4678.93 6895,4405 7100,4200 7490,4200 ; D4.A 7386.56,4505.29 7485,4505.29 ; R19.1 7524.37,5218.62 J2.2 7980,4953.62 7980,4440 7845,4305 7505,4305 ; U3.A 7490,3925 7490,4200 ; R23.1 7574.71,4505.29 7485,4505.29 ; 7485,4505.29 7485,4305 7485,4205 7490,4200
MD: B1.2 C8.2 D5.A Q1.2 | length 8023.1
  Top Layer w60: Q1.2 1600,3920 C8.2 1245,3565 1245,3065 1455,2855 2925,2855 3115,3045 3115,3519.85 3150.15,3555 3284.85,3555 3320,3519.85 3320,3060 3570,2810 5560,2810 5770,3020 D5.A 5618.15,3645 B1.2@5370,3645
MS: Q1.3 R9.1 R11.2 | length 2149.5
  Top Layer w60: Q1.3 1995,3820 R9.1 2065,3240 2270,3035 2865,3035 2975,3145 R11.2
NetB1_7: B1.7 D6.1 | length 2311.7
  Top Layer w30: 4920,4170 4918.23,4171.77 4918.23,4393.23 4920,4395
  Top Layer w40: 4920,4170 4966.85,4123.15 B1.7 ; 4920,4395 4920,4400 5015,4495 5420,4495
  Top Layer w60: D6.1 5515,5250 5515,4590 5420,4495
NetB2_7: 
NetBR1_2: BR1.2 C2.1 C6.2 FL1.2 | length 1348.2
  Top Layer w60: FL1.2@3052.6,4961.73 3236.73,4961.73 C6.2 3390,4990 3595,5195 3880,5195 BR1.2 4130.19,5445.19 4198.61,5445.19 C2.1
NetBR1_3: BR1.3 C1.2 C2.2 FL1.3 | length 901.2
  Top Layer w60: FL1.3 3310.47,5470 C1.2 3444.53,5445 3598.43,5445 C2.2 3628.27,5446.57 3808.46,5266.39 BR1.3
NetBR2_1: 
NetBR2_2: 
NetBR2_3: 
NetC4_2: C4.2 D2.C R1.1 R2.1 U1.7 | length 5301.5
  Top Layer w30: U1.7 2684.12,4149.51 2684.12,4132.78 2585,4033.66 2585,3667.22 2617.22,3635 2721.11,3635 2811.11,3725 3215,3725 ; R1.1 3220,3730 3215,3725 ; 4632.5,4507.5 4632.5,4497.71 4818.62,4311.59 4818.62,4082.61 4815,4078.98 4815,3850 4823.07,3841.93 ; 4876.85,3785 4880,3781.85 4880,3395 4760,3275 4235,3275 4110,3400 4110,3637.43 4092.43,3655 3795,3655 3770,3630 3540,3630 3445,3725 3215,3725
  Top Layer w40: 4823.07,3841.93 4823.07,3838.78 4876.85,3785
  Top Layer w60: C4.2 4632.5,4507.5 4735,4610 D2.C 4910,4610 R2.1
NetC5_2: C5.2 D1.C R2.2 | length 1773.6
  Top Layer w40: 5175,4825 R2.2
  Top Layer w60: D1.C D1.C@3950,4630 ; C5.2 3950,4790 D1.C@3950,4630 ; 5175,4825 4145,4825 D1.C@3950,4630
NetC7_1: C7.1 R6.2 | length 607
  Top Layer w60: R6.2@2055,4700 2263.99,4700 2473.99,4490 C7.1
NetC7_2: C7.2 U1.1 | length 240.2
  Top Layer w60: C7.2 2375.28,4489.72 2375.28,4250.28 U1.1
NetC8_1: C8.1 D3.A R12.2 | length 469.1
  Top Layer w60: C8.1@1372.8,3892.8 C8.1 1275,3985 R12.2 1498.15,4090 D3.A
NetC9_2: C9.2 R7.1 U1.8 U2.4 | length 6875.8
  Top Layer w30: U1.8@2683.92,4255 2535,4255 2495,4215 2495,3635 2625.15,3504.85 2800.15,3504.85
  Top Layer w40: 5326.56,4320.01 6247.5,4320.01 6257.51,4310 U2.4
  Top Layer w60: U1.8@2680,4255 2680,4459.76 2665,4474.76 C9.2 2775,4590 R7.1 ; 2800.15,3504.85 2849.85,3504.85 2975,3630 3384.85,3630 3420,3594.85 3420,3235 3680,2975 4945,2975 5265,3295 5265,4258.44 5326.56,4320.01
NetC10_2: C10.2 R5.1 R9.2 U1.3 | length 1444.4
  Top Layer w60: R9.2 2180,4150 2261.07,4068.93 2370.24,4068.93 2375.55,4063.62 U1.3 2387.32,4050 2404.06,4033.27 2404.85,4033.27 2440,3998.12 2440,3425 2610,3255 R5.1
NetC11_1: C11.1 C12.1 R7.2 U1.4 | length 4069.2
  Top Layer w30: 3000,4370 3000,4437.22 3090,4527.22 3090,4685 3035,4740
  Top Layer w60: C11.1 1855,4280 C12.1 1920,4085 2055,3950 U1.4@2361.3,3950 ; C12.1@1925,4210 1984.76,4210 2055,4280.24 2055,4460.24 1990.24,4525 1825,4525 1660,4690 1660,4890 1785,5015 2285,5015 2452.22,4847.78 2847.22,4847.78 2928.18,4766.82 3025.46,4766.82 3043.64,4748.64 ; R7.2 3000,4370
NetC13_1: C13.1 D5.C R18.1 | length 377.2
  Top Layer w60: D5.C@5767.2,3889.65 D5.C 5773.43,3883.43 5971.57,3883.43 C13.1 6105,3880 R18.1
NetC14_2: C14.2 D6.2 L1.1 | length 1034.1
  Top Layer w60: D6.2 5565,5500 5855.28,5500 C14.2 6371.7,5440.28 L1.1
NetC16_1: C16.1 R20.2 | length 407.1
  Top Layer w60: R20.2 6775,4030 6921.29,3883.71 7031.29,3883.71 C16.1
NetC16_2: C16.2 R17.1 R23.2 U3.R | length 957.8
  Top Layer w60: C16.2 7310,3805 7594.85,3805 7630,3840.15 U3.R 7665,3885 7755,3975 7755,4080 R17.1 R23.2
NetC17_2: C17.2 D7.C R22.1 | length 1060.9
  Top Layer w30: 3640,3815 3855,3815
  Top Layer w60: R22.1 3490,4115 D7.C 3573.15,3881.85 3640,3815 ; 3855,3815 3940,3900 C17.2
NetC18_2: C18.2 D7.A R21.1 | length 531.5
  Top Layer w60: D7.A 3495.95,3482.2 3757.8,3482.2 R21.1 3762.2,3482.2 3770.33,3482.2 3773.13,3485 3910,3485 C18.2
NetC23_2: 
NetC24_2: 
NetC25_1: 
NetC25_2: 
NetC26_1: 
NetC27_2: 
NetC28_2: 
NetC29_1: 
NetC31_1: 
NetC31_2: 
NetC32_1: 
NetC33_2: 
NetC35_2: 
NetC36_2: 
NetD4_C: D4.C R15.1 U3.C | length 455.2
  Top Layer w60: R15.1 7182.2,4107.2 7379.05,4107.2 D4.C 7385,3930 U3.C
NetD8_A: 
NetD11_C: 
NetF1_1: F1.1 J1.2 | length 375.5
  Top Layer w60: J1.2 1641.61,5395 F1.1
NetF1_2: F1.2 FL1.4+ | length 421.6
  Top Layer w60: F1.2 2343.39,5470 FL1.4+
NetF2_1: 
NetF2_2: 
NetFL1_1-: FL1.1- J1.1 | length 1650.3
  Top Layer w60: J1.1 1335,5245 2625,5245 2660.19,5209.81 FL1.1-@2660.19,4970
NetFL2_1-: 
NetJ5_1: 
NetJ6_2: 
NetQ1_1: Q1.1 R8.2 | length 4062.9
  Top Layer w10: Q1.1 1735,4020 1644.14,4110.86 1644.14,4320 1669.14,4345 1960,4345 1985,4370 1985,4445 1955,4475 1785,4475 1544.14,4715.86 1544.14,4884.14 1740,5080 2340,5080 2505,4915 2846.39,4915 2946.39,4815 3045,4815 3120,4740 3120,4205 3155,4170 R8.2
NetR3_1: R3.1 R4.2 | length 410
  Top Layer w60: R3.1 R4.2
NetR4_1: R4.1 R5.2 | length 240.2
  Top Layer w60: R4.1 2310,3340 R5.2
NetR8_1: R8.1 U1.6 | length 1216.3
  Top Layer w60: U1.6 2901.01,4050 2926.01,4025 3253.99,4025 3355,4126.01 3355,4380 3235,4500 R8.1
NetR13_1: R13.1 U2.1 | length 499.7
  Top Layer w60: U2.1 6770.63,4310 R13.1
NetR14_2: R14.2 R16.2 U2.3 | length 1066
  Top Layer w60: R16.2 5785,4995 R14.2 5785,4605 5980,4410 U2.3
NetR20_1: R20.1 U2.2 | length 258.5
  Top Layer w60: U2.2 6665,4515 R20.1
NetR22_2: R22.2 R24.2 | length 225
  Top Layer w60: R22.2 R24.2
NetR27_1: 
NetR28_1: 
NetR32_1: 
NetR37_1: 
NetR38_2: 
NetR42_1: 
NetR47_2: 
VFB: R6.1 R10.2 R14.1 R24.1 U1.2 | length 10776.1
  Top Layer w15: 2637.41,4199.98 2724.98,4199.98
  Top Layer w20: R10.2@2245,4775 R10.2 ; R6.1 2470,4685 3008.28,4685 3055,4638.28 3055,4555 3030,4530 2835,4530 2765,4460 2765,4240 2724.98,4199.98 ; 2637.41,4199.98 2535,4097.57 2535,3652.57 2612.57,3575 2807.43,3575 2912.43,3680 3405.56,3680 3520.56,3565 3919.29,3565 3964.29,3610 4040,3610 4060,3590 ; 4230,4750 5020,4750 5070,4700 5070,4655 5035,4620 4875,4460 4875,3885 4921.85,3838.15 4921.85,3678.76 4918.23,3675.14 4918.23,3634.86 4920,3633.09 ; 5037.5,4617.5 5080,4575 5385,4575 5440,4630 5440,4820 R14.1
  Top Layer w30: 4060,3265 4060,3590 ; 4920,3140 4920,3633.09
  Top Layer w60: R10.2@2245,4775 2140,4880 1870,4880 1815,4825 1815,4705.08 1891.63,4628.45 2095.54,4628.45 2140,4583.99 2140,4345 2332.52,4152.48 2373.07,4152.48 U1.2 ; R10.2 2385,4770 R6.1 ; R24.1 4230,4750 ; 4060,3265 4230,3095 4875,3095 4920,3140
VOUT: C15.2 J2.1 L1.2 R13.2 R15.2 R17.2 R19.2 | length 3251.6
  Top Layer w60: L1.2 6681.98,5196.98 6828.04,5343.04 C15.2 ; R13.2 6975.31,4505.31 7179.69,4505.31 R15.2 7260,4585 7260,4745 ; J2.1 7604.37,5529.25 R19.2 7211.22,5529.25 C15.2 ; R17.2 7753.75,4506.25 7515,4745 7260,4745 ; C15.2 7260,5108.04 7260,4745
pads on no net: B1. D6.3

## Silkscreen, mask and mechanical layers (free items; w line width, h text height)
Top Overlay:
  drawing of 2099 lines, arcs and shapes, not listed
  text "85-265VAC 12VDC 1A SMPS" at 6015,2870 h100
Keep-Out Layer (Mech2):
  the board outline again, w10

## Text inside footprints (layer, text, board x,y; h text height)
U3: Top Overlay "C" at 7624.49,3833.82 h15.75; Top Overlay "A" at 7522.13,3833.82 h15.75; Top Overlay "R" at 7415.83,3833.82 h15.75